# KiCad board HPM6750_COMBO_RevB .kicad_pcb (continued)
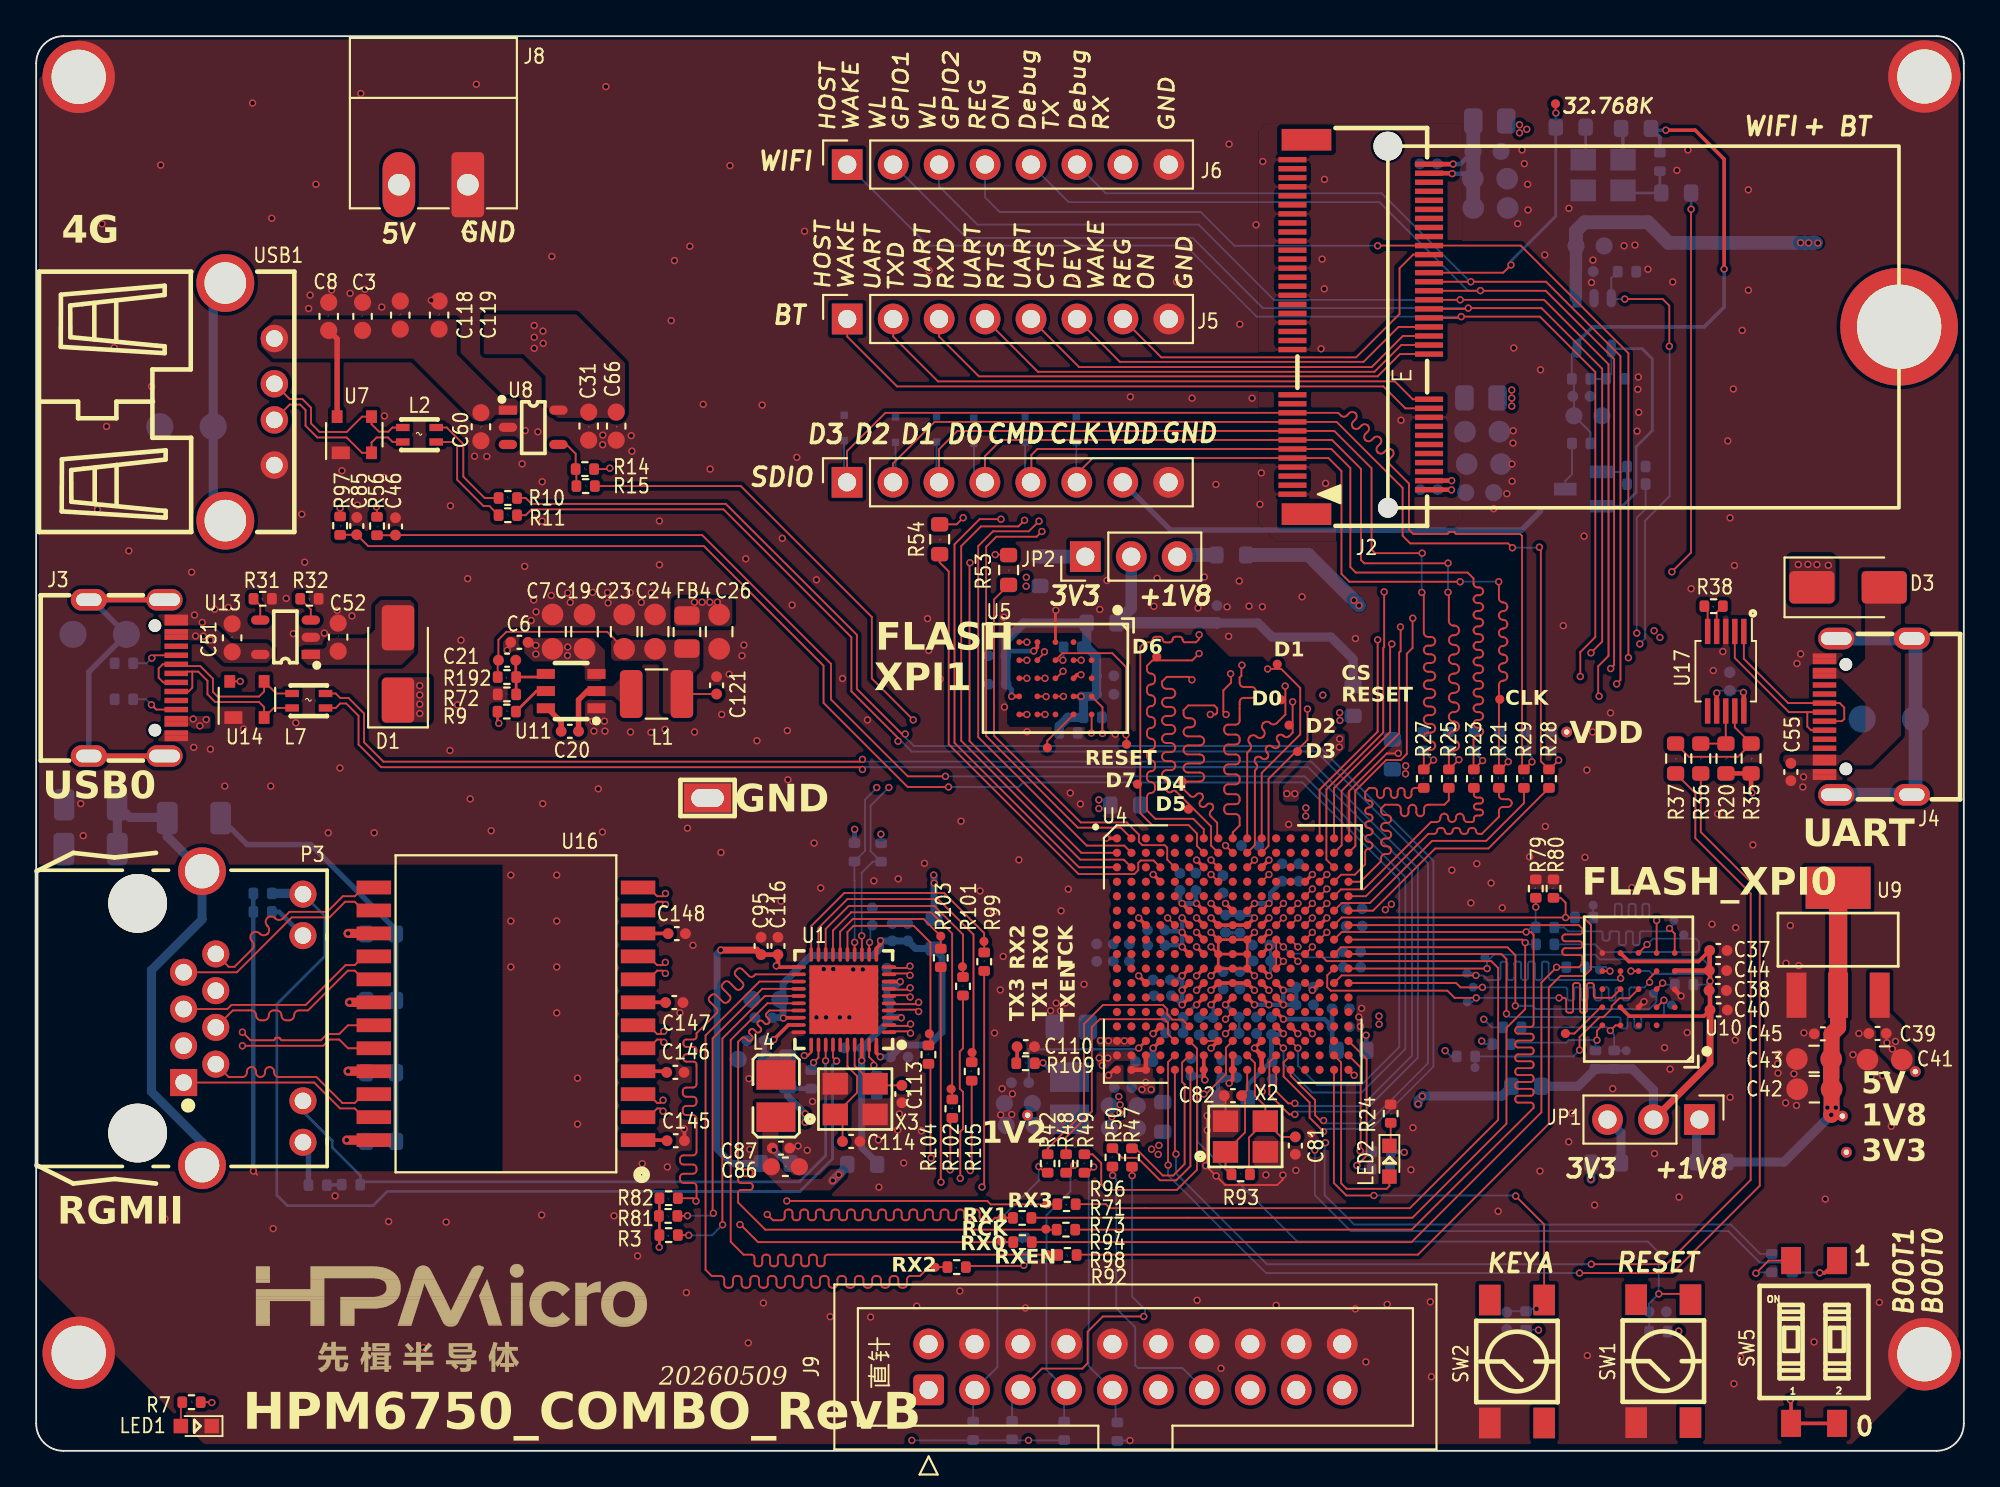
[diagram p0: board, top side]
## Routing (per net, layer and track width the routed paths; a pad name or vN(x,y) marks a point on that pad's centre or on a via; arc(x,y) is an arc through that point) (continued)
/01.MAIN/PD15: length 64.6
  Top w0.102: U1.14 v1(45.24,28.12) ; v1(76.09,46.04) 76.08,46.03 76.08,44.4 75.76,44.08 75.76,38.54 75.42,38.2 74.62,38.2 72.91,36.49 72.91,35.3 72.92,35.29 72.92,33.45 U4.B17
  POWER3 w0.102: v1(76.09,46.04) 70.51,46.04 68.94,47.61 55.64,47.61 55.33,47.3 48.33,47.3 46.81,45.78 46.81,37.03 v1(46.46,36.68)
  Bottom w0.102: v1(45.24,28.12) 45.24,31.54 45.23,31.55 R77.1 45.82,33.18 45.82,36.01 46.46,36.65 v1(46.46,36.68)
/01.MAIN/PD16: length 85.6
  Top w0.102: v1(74.15,66.64) 74.16,66.65 J2.56 82.06,66.65 88.01,60.7 v1(88.01,43.86) ; U4.D15 v1(71.34,31.87)
  POWER3 w0.102: v1(88.01,43.86) 87.82,43.67 74.38,43.67 73.1,42.39 73.1,32.8 72.17,31.87 v1(71.34,31.87)
  Bottom w0.102: v1(74.15,66.64) 66.24,66.64 64.37,68.51 53.26,68.51 52.45,69.32 J6.4
/01.MAIN/PD17: length 13.8
  Top w0.102: U4.D16 72.13,31.86 72.89,31.86 73.46,32.43 73.46,33.1 arc(73.52,33.24) 73.65,33.29 73.68,33.29 arc(73.81,33.35) 73.87,33.48 arc(73.81,33.62) 73.68,33.67 73.65,33.67 arc(73.52,33.73) 73.46,33.86 arc(73.52,34) 73.65,34.05 73.68,34.05 arc(73.81,34.11) 73.87,34.25 arc(73.81,34.38) 73.68,34.44 73.65,34.44 arc(73.52,34.49) 73.46,34.63 arc(73.52,34.76) 73.65,34.82 73.68,34.82 arc(73.81,34.87) 73.87,35.01 arc(73.81,35.14) 73.68,35.2 73.65,35.2 arc(73.52,35.25) 73.46,35.39 arc(73.52,35.52) 73.65,35.58 73.68,35.58 arc(73.81,35.63) 73.87,35.77 arc(73.81,35.9) 73.68,35.96 73.65,35.96 arc(73.52,36.02) 73.46,36.15 73.46,36.44 73.68,36.66 73.92,36.66 arc(74.06,36.6) 74.11,36.47 74.11,36.29 arc(74.17,36.16) 74.31,36.1 arc(74.44,36.16) 74.5,36.29 74.5,36.47 arc(74.55,36.6) 74.69,36.66 arc(74.82,36.6) 74.88,36.47 74.88,36.29 arc(74.93,36.16) 75.07,36.1 arc(75.2,36.16) 75.26,36.29 75.26,36.47 arc(75.31,36.6) 75.45,36.66 arc(75.58,36.6) 75.64,36.47 75.64,36.29 arc(75.69,36.16) 75.83,36.1 arc(75.96,36.16) 76.02,36.29 76.02,36.47 arc(76.08,36.6) 76.21,36.66 R27.1
/01.MAIN/PD18: length 13.9
  Top w0.102: R25.1 78.08,35.97 77.84,35.73 76.93,35.73 arc(76.78,35.67) 76.72,35.51 76.72,35.31 arc(76.66,35.15) 76.5,35.09 arc(76.35,35.15) 76.29,35.31 76.29,35.51 arc(76.22,35.67) 76.07,35.73 arc(75.92,35.67) 75.86,35.51 75.86,35.31 arc(75.79,35.15) 75.64,35.09 arc(75.49,35.15) 75.43,35.31 75.43,35.51 arc(75.36,35.67) 75.21,35.73 74.55,35.73 74.34,35.52 74.34,35.37 arc(74.4,35.22) 74.56,35.15 74.68,35.15 arc(74.84,35.09) 74.9,34.94 arc(74.84,34.79) 74.68,34.72 74.56,34.72 arc(74.4,34.66) 74.34,34.51 arc(74.4,34.36) 74.56,34.29 74.68,34.29 arc(74.84,34.23) 74.9,34.08 arc(74.84,33.92) 74.68,33.86 74.56,33.86 arc(74.4,33.8) 74.34,33.65 arc(74.4,33.49) 74.56,33.43 74.68,33.43 arc(74.84,33.37) 74.9,33.22 arc(74.84,33.06) 74.68,33 74.56,33 arc(74.4,32.94) 74.34,32.78 74.34,32.61 73.2,31.47 U4.D17
/01.MAIN/PD19: length 89.8
  Top w0.102: v1(85.94,44.13) 86.56,44.75 86.56,59.84 83.21,63.19 v1(79.16,63.19) 79.12,63.15 J2.42 ; U4.E14 v1(70.54,31.07)
  POWER3 w0.102: v1(85.94,44.13) 73.82,44.13 72.64,42.95 72.64,32.91 72.26,32.53 71.13,32.53 70.98,32.39 70.98,31.72 70.99,31.72 70.54,31.27 v1(70.54,31.07)
  Bottom w0.102: v1(79.16,63.19) 67.81,63.19 63.93,67.07 51.43,67.07 J6.2
/01.MAIN/PD20: length 89.5
  Top w0.102: v1(85.35,42.82) 85.35,44.17 86.18,45 86.18,59.66 83.12,62.72 v1(78.77,62.72) 78.7,62.65 J2.40 ; U4.E15 v1(71.34,31.07)
  POWER3 w0.102: v1(71.34,31.07) 72.3,31.07 73.99,32.76 73.99,41.25 75.55,42.81 85.34,42.81 v1(85.35,42.82)
  Bottom w0.102: v1(78.77,62.72) 67.46,62.72 63.53,66.65 49.31,66.65 J6.1
/01.MAIN/PD21: length 13.9
  Top w0.102: U4.E16 72.12,31.05 73.38,31.05 77.1,34.77 77.4,34.77 arc(77.55,34.83) 77.62,34.99 77.62,35.02 arc(77.68,35.17) 77.83,35.24 arc(77.98,35.17) 78.05,35.02 78.05,34.99 arc(78.11,34.83) 78.26,34.77 arc(78.41,34.83) 78.48,34.99 78.48,35.02 arc(78.54,35.17) 78.69,35.24 arc(78.85,35.17) 78.91,35.02 78.91,34.99 arc(78.97,34.83) 79.12,34.77 79.39,34.77 79.47,34.85 79.47,34.97 arc(79.52,35.08) 79.63,35.13 79.81,35.13 arc(79.93,35.18) 79.98,35.3 arc(79.93,35.41) 79.81,35.46 79.63,35.46 arc(79.52,35.51) 79.47,35.63 arc(79.52,35.75) 79.63,35.79 79.81,35.79 arc(79.93,35.84) 79.98,35.96 arc(79.93,36.08) 79.81,36.12 79.63,36.12 arc(79.52,36.17) 79.47,36.29 R23.1
/01.MAIN/PD22: length 13.9
  Top w0.102: R21.1 80.85,36.25 arc(80.92,36.1) 81.07,36.03 81.35,36.03 arc(81.5,35.97) 81.56,35.82 arc(81.5,35.67) 81.35,35.6 81.07,35.6 arc(80.92,35.54) 80.85,35.39 80.85,35.06 79.91,34.12 79.74,34.12 arc(79.63,34.17) 79.58,34.28 arc(79.54,34.39) 79.43,34.44 79.31,34.44 arc(79.2,34.39) 79.15,34.28 arc(79.11,34.17) 78.99,34.12 78.88,34.12 arc(78.77,34.17) 78.72,34.28 arc(78.68,34.39) 78.56,34.44 78.45,34.44 arc(78.34,34.39) 78.29,34.28 arc(78.24,34.17) 78.13,34.12 78.02,34.12 arc(77.91,34.17) 77.86,34.28 arc(77.81,34.39) 77.7,34.44 77.59,34.44 arc(77.48,34.39) 77.43,34.28 arc(77.38,34.17) 77.27,34.12 76.95,34.12 73.5,30.67 U4.E17
/01.MAIN/PD23: length 85.7
  Top w0.102: U4.F13 v1(69.74,30.27) ; v1(87.03,43.26) 87.22,43.45 87.22,60.37 83.44,64.15 J2.46
  POWER3 w0.102: v1(69.74,30.27) 70.12,30.65 70.75,30.65 70.93,30.83 70.93,31.25 71.15,31.47 72.24,31.47 73.54,32.77 73.54,42.1 74.7,43.26 v1(87.03,43.26)
  Bottom w0.102: J6.5 57.07,69.05 74.25,69.05 79.14,64.16 v1(79.83,64.16)
/01.MAIN/PD24: length 82.2
  Top w0.102: U4.F14 v1(70.54,30.27) ; v1(87.36,42.41) 87.57,42.62 87.57,60.54 83.46,64.65 J2.48
  POWER3 w0.102: v1(70.54,30.27) 70.74,30.27 71.1,30.63 72.47,30.63 74.4,32.56 74.4,40.85 75.96,42.41 v1(87.36,42.41)
  Bottom w0.102: v1(79.3,64.65) 79.26,64.65 74.37,69.54 59.12,69.54 J6.6
/01.MAIN/PD25: length 87.8
  Top w0.102: v1(86.39,41.73) 86.34,41.78 86.34,43.39 86.91,43.96 86.91,60.09 83.35,63.65 v1(78.71,63.65) J2.44 ; U4.F15 v1(71.34,30.27)
  POWER3 w0.102: v1(86.39,41.73) 86.37,41.71 75.84,41.71 74.76,40.63 74.76,32.35 72.68,30.27 v1(71.34,30.27)
  Bottom w0.102: J6.3 49.91,69.93 52.03,67.81 64.25,67.81 68.41,63.65 v1(78.71,63.65)
/01.MAIN/PD26: length 13.8
  Top w0.102: U4.F16 72.16,30.29 73.72,30.29 77.16,33.73 80.15,33.73 82.24,35.82 R29.1
/01.MAIN/PD27: length 13.9
  Top w0.102: R28.1 80.27,33.31 77.33,33.31 73.89,29.87 U4.F17
/01.MAIN/PD28: length 74
  Top w0.102: U4.G13 v1(69.74,29.47) ; v1(50.01,14.86) 50,14.87 R103.1
  POWER3 w0.102: v1(50.01,14.86) 50.49,14.38 51.73,14.38 51.85,14.26 51.85,14.08 arc(51.81,13.97) 51.7,13.93 51.26,13.93 arc(51.15,13.88) 51.11,13.78 51.11,13.7 arc(51.15,13.59) 51.26,13.55 51.7,13.55 arc(51.81,13.5) 51.85,13.39 51.85,13.32 arc(51.81,13.21) 51.7,13.17 51.26,13.17 arc(51.15,13.12) 51.11,13.01 51.11,12.94 arc(51.15,12.83) 51.26,12.78 51.7,12.78 arc(51.81,12.74) 51.85,12.63 51.85,12.56 arc(51.81,12.45) 51.7,12.4 51.26,12.4 arc(51.15,12.36) 51.11,12.25 51.11,12.18 arc(51.15,12.07) 51.26,12.02 51.7,12.02 arc(51.81,11.98) 51.85,11.87 51.85,11.15 53.3,9.7 75.05,9.7 79.93,14.58 79.93,22.63 v1(79.9,22.66) 79.9,23.07 73.9,29.07 70.14,29.07 v1(69.74,29.47)
  Bottom w0.102: R84.2 80.07,22.49 v1(79.9,22.66)
/01.MAIN/PD29: length 64.9
  Top w0.102: U4.G14 v1(70.54,29.47) ; R102.1 50.53,18.3 50.53,15.55 v1(50.52,15.54)
  POWER3 w0.102: v1(70.54,29.47) 70.92,29.85 72.45,29.85 72.9,29.4 74.48,29.4 v1(80.02,23.87) 80.44,23.45 80.44,14.37 75.11,9.04 53.41,9.04 49.42,13.03 49.42,15.3 49.66,15.54 v1(50.52,15.54)
  Bottom w0.102: v1(80.02,23.87) 80.46,23.42 R85.1
/01.MAIN/PD30: length 58.5
  Top w0.102: U4.G16 72.16,29.49 84.54,29.49 v1(84.54,29.49) ; v1(84.54,29.49) 85.53,29.49 85.94,29.08 85.94,26.63 85.57,26.26 84.25,26.26 83.61,25.62 83.61,18.08 76.38,10.85 57.53,10.85 R98.1 ; v1(84.54,29.49) 84.54,30.31 84.27,30.58 R80.1
  Bottom w0.102: R87.1 v1(84.54,29.49)
/01.MAIN/PD31: length 60.4
  Top w0.102: U4.G17 85.27,29.07 85.47,28.87 85.47,28.71 arc(85.43,28.6) 85.32,28.56 84.51,28.56 arc(84.4,28.51) 84.36,28.41 84.36,28.33 arc(84.4,28.22) 84.51,28.18 85.32,28.18 arc(85.43,28.13) 85.47,28.02 85.47,27.95 arc(85.43,27.84) 85.32,27.8 84.51,27.8 arc(84.4,27.75) 84.36,27.64 84.36,27.57 arc(84.4,27.46) 84.51,27.41 85.32,27.41 arc(85.43,27.37) 85.47,27.26 85.47,26.93 85.28,26.74 v1(84.04,26.74) 83.2,25.9 83.2,18.72 76.02,11.54 R94.1
  Bottom w0.102: R86.2 84.05,26.75 v1(84.04,26.74)
/01.MAIN/PE0: length 63.8
  Top w0.102: R105.1 51.71,15.58 v1(51.63,15.5) ; U4.H13 v1(69.74,27.87)
  POWER3 w0.102: v1(69.74,27.87) 70.29,27.32 72.69,27.32 v1(77.88,22.13) 77.9,22.11 77.9,15.26 74.97,12.33 74.49,12.33 arc(74.34,12.39) 74.28,12.54 74.28,12.87 arc(74.22,13.02) 74.07,13.09 73.96,13.09 arc(73.81,13.02) 73.75,12.87 73.75,12.54 arc(73.69,12.39) 73.54,12.33 73.43,12.33 arc(73.28,12.39) 73.22,12.54 73.22,12.87 arc(73.16,13.02) 73,13.09 72.9,13.09 arc(72.75,13.02) 72.69,12.87 72.69,12.54 arc(72.62,12.39) 72.47,12.33 72.37,12.33 arc(72.22,12.39) 72.16,12.54 72.16,12.87 arc(72.09,13.02) 71.94,13.09 71.84,13.09 arc(71.69,13.02) 71.62,12.87 71.62,12.54 arc(71.56,12.39) 71.41,12.33 71.31,12.33 arc(71.16,12.39) 71.09,12.54 71.09,12.87 arc(71.03,13.02) 70.88,13.09 70.77,13.09 arc(70.62,13.02) 70.56,12.87 70.56,12.54 arc(70.5,12.39) 70.35,12.33 70.24,12.33 arc(70.09,12.39) 70.03,12.54 70.03,12.87 arc(69.97,13.02) 69.82,13.09 69.71,13.09 arc(69.56,13.02) 69.5,12.87 69.5,12.54 arc(69.44,12.39) 69.29,12.33 69.18,12.33 arc(69.03,12.39) 68.97,12.54 68.97,12.87 arc(68.91,13.02) 68.76,13.09 68.65,13.09 arc(68.5,13.02) 68.44,12.87 68.44,12.54 arc(68.38,12.39) 68.23,12.33 68.12,12.33 arc(67.97,12.39) 67.91,12.54 67.91,12.87 arc(67.85,13.02) 67.69,13.09 67.59,13.09 arc(67.44,13.02) 67.38,12.87 67.38,12.54 arc(67.31,12.39) 67.16,12.33 67.06,12.33 arc(66.91,12.39) 66.85,12.54 66.85,12.87 arc(66.78,13.02) 66.63,13.09 66.53,13.09 arc(66.38,13.02) 66.31,12.87 66.31,12.54 arc(66.25,12.39) 66.1,12.33 66,12.33 arc(65.85,12.39) 65.78,12.54 65.78,12.87 arc(65.72,13.02) 65.57,13.09 65.46,13.09 arc(65.31,13.02) 65.25,12.87 65.25,12.54 arc(65.19,12.39) 65.04,12.33 54.26,12.33 53.46,13.13 53.46,14.85 52.81,15.5 v1(51.63,15.5)
  Bottom w0.102: v1(77.88,22.13) 78.2,21.81 R90.1
/01.MAIN/PE1: length 67.8
  Top w0.102: v1(52.28,14.59) 52.4,14.71 R99.1 ; U4.H14 v1(70.54,28.67)
  POWER3 w0.102: v1(52.28,14.59) 52.28,11.35 52.88,10.75 62.95,10.75 arc(63.07,10.8) 63.12,10.92 63.12,11.13 arc(63.17,11.25) 63.29,11.3 63.38,11.3 arc(63.5,11.25) 63.55,11.13 63.55,10.92 arc(63.6,10.8) 63.73,10.75 63.81,10.75 arc(63.93,10.8) 63.98,10.92 63.98,11.13 arc(64.03,11.25) 64.16,11.3 64.24,11.3 arc(64.36,11.25) 64.42,11.13 64.42,10.92 arc(64.47,10.8) 64.59,10.75 64.67,10.75 arc(64.8,10.8) 64.85,10.92 64.85,11.13 arc(64.9,11.25) 65.02,11.3 65.1,11.3 arc(65.23,11.25) 65.28,11.13 65.28,10.92 arc(65.33,10.8) 65.45,10.75 65.54,10.75 arc(65.66,10.8) 65.71,10.92 65.71,11.13 arc(65.76,11.25) 65.88,11.3 65.97,11.3 arc(66.09,11.25) 66.14,11.13 66.14,10.92 arc(66.19,10.8) 66.31,10.75 66.4,10.75 arc(66.52,10.8) 66.57,10.92 66.57,11.13 arc(66.62,11.25) 66.74,11.3 66.83,11.3 arc(66.95,11.25) 67,11.13 67,10.92 arc(67.05,10.8) 67.17,10.75 67.26,10.75 arc(67.38,10.8) 67.43,10.92 67.43,11.13 arc(67.48,11.25) 67.6,11.3 67.69,11.3 arc(67.81,11.25) 67.86,11.13 67.86,10.92 arc(67.91,10.8) 68.04,10.75 74.67,10.75 78.89,14.97 78.89,22.59 73.22,28.26 70.95,28.26 v1(70.54,28.67)
/01.MAIN/PE2: length 49.4
  Top w0.102: U4.H15 v1(71.34,28.67) ; R92.1 51.45,10.22 54.55,10.22 v1(54.59,10.26)
  POWER3 w0.102: v1(54.59,10.26) 74.84,10.26 79.35,14.77 79.35,22.76 73.44,28.67 v1(71.34,28.67)
  Bottom w0.102: R91.1 54.59,10.77 v1(54.59,10.26)
/01.MAIN/PE3: length 61.8
  Top w0.102: U4.H16 72.16,28.69 v1(82.36,28.69) 82.62,28.69 82.77,28.54 82.77,23.6 arc(82.73,23.49) 82.62,23.45 81.91,23.45 arc(81.8,23.4) 81.76,23.3 81.76,23.22 arc(81.8,23.11) 81.91,23.07 82.62,23.07 arc(82.73,23.02) 82.77,22.91 82.77,22.84 arc(82.73,22.73) 82.62,22.69 81.91,22.69 arc(81.8,22.64) 81.76,22.53 81.76,22.46 arc(81.8,22.35) 81.91,22.3 82.62,22.3 arc(82.73,22.26) 82.77,22.15 82.77,22.08 arc(82.73,21.97) 82.62,21.92 81.91,21.92 arc(81.8,21.88) 81.76,21.77 81.76,21.7 arc(81.8,21.59) 81.91,21.54 82.62,21.54 arc(82.73,21.5) 82.77,21.39 82.77,21.31 arc(82.73,21.21) 82.62,21.16 81.91,21.16 arc(81.8,21.12) 81.76,21.01 81.76,20.93 arc(81.8,20.83) 81.91,20.78 82.62,20.78 arc(82.73,20.74) 82.77,20.63 82.77,20.55 arc(82.73,20.44) 82.62,20.4 81.91,20.4 arc(81.8,20.35) 81.76,20.25 81.76,20.17 arc(81.8,20.06) 81.91,20.02 82.62,20.02 arc(82.73,19.97) 82.77,19.87 82.77,19.79 arc(82.73,19.68) 82.62,19.64 81.91,19.64 arc(81.8,19.59) 81.76,19.49 81.76,19.41 arc(81.8,19.3) 81.91,19.26 82.62,19.26 arc(82.73,19.21) 82.77,19.1 82.77,18.97 76.03,12.23 R73.1 ; R79.1 v1(82.89,30.07)
  Bottom w0.102: v1(82.36,28.69) 82.61,28.94 R89.1 v1(82.89,30.07)
/01.MAIN/PE4: length 49.3
  Top w0.102: U4.H17 82.14,28.27 v1(82.31,28.11) 82.31,24.43 81.27,23.39 81.27,18.09 76.07,12.89 55.02,12.89 R71.1
  Bottom w0.102: v1(82.31,28.11) 82.4,28.01 R88.1
/01.MAIN/PE5: length 69.5
  Top w0.102: R104.1 49.43,21.29 49.43,16.23 v1(49.47,16.19) ; U4.J13 v1(69.74,27.07)
  POWER3 w0.102: v1(69.74,27.07) 69.94,26.87 72.43,26.87 77.37,21.93 77.37,15.5 75.59,13.72 64.88,13.72 arc(64.74,13.66) 64.68,13.53 64.68,12.97 arc(64.63,12.83) 64.49,12.77 64.39,12.77 arc(64.26,12.83) 64.2,12.97 64.2,13.53 arc(64.15,13.66) 64.01,13.72 63.91,13.72 arc(63.78,13.66) 63.72,13.53 63.72,12.97 arc(63.67,12.83) 63.53,12.77 63.43,12.77 arc(63.3,12.83) 63.24,12.97 63.24,13.53 arc(63.18,13.66) 63.05,13.72 62.95,13.72 arc(62.82,13.66) 62.76,13.53 62.76,12.97 arc(62.7,12.83) 62.57,12.77 62.47,12.77 arc(62.33,12.83) 62.28,12.97 62.28,13.53 arc(62.22,13.66) 62.09,13.72 61.99,13.72 arc(61.85,13.66) 61.8,13.53 61.8,12.97 arc(61.74,12.83) 61.6,12.77 61.51,12.77 arc(61.37,12.83) 61.32,12.97 61.32,13.53 arc(61.26,13.66) 61.12,13.72 61.03,13.72 arc(60.89,13.66) 60.84,13.53 60.84,12.97 arc(60.78,12.83) 60.64,12.77 60.55,12.77 arc(60.41,12.83) 60.35,12.97 60.35,13.53 arc(60.3,13.66) 60.16,13.72 60.07,13.72 arc(59.93,13.66) 59.87,13.53 59.87,12.97 arc(59.82,12.83) 59.68,12.77 59.58,12.77 arc(59.45,12.83) 59.39,12.97 59.39,13.53 arc(59.34,13.66) 59.2,13.72 59.1,13.72 arc(58.97,13.66) 58.91,13.53 58.91,12.97 arc(58.86,12.83) 58.72,12.77 58.62,12.77 arc(58.49,12.83) 58.43,12.97 58.43,13.53 arc(58.37,13.66) 58.24,13.72 58.14,13.72 arc(58.01,13.66) 57.95,13.53 57.95,12.97 arc(57.89,12.83) 57.76,12.77 57.66,12.77 arc(57.52,12.83) 57.47,12.97 57.47,13.53 arc(57.41,13.66) 57.28,13.72 57.18,13.72 arc(57.04,13.66) 56.99,13.53 56.99,12.97 arc(56.93,12.83) 56.8,12.77 56.7,12.77 arc(56.56,12.83) 56.51,12.97 56.51,13.53 arc(56.45,13.66) 56.31,13.72 56.22,13.72 arc(56.08,13.66) 56.03,13.53 56.03,12.97 arc(55.97,12.83) 55.83,12.77 55.74,12.77 arc(55.6,12.83) 55.54,12.97 55.54,13.53 arc(55.49,13.66) 55.35,13.72 55.26,13.72 arc(55.12,13.66) 55.06,13.53 55.06,12.97 arc(55.01,12.83) 54.87,12.77 54.77,12.77 arc(54.64,12.83) 54.58,12.97 54.58,13.53 arc(54.53,13.66) 54.39,13.72 54.09,13.72 53.84,13.97 53.84,15.08 52.73,16.19 v1(49.47,16.19)
/01.MAIN/PE6: length 69.3
  Top w0.102: v1(51.08,15.07) 51.08,17.65 51.23,17.8 51.23,19.85 51.05,20.03 51.05,22.08 51.23,22.26 R101.1 ; U4.J14 v1(70.54,27.87)
  POWER3 w0.102: v1(51.08,15.07) 52.53,15.07 52.85,14.75 52.85,12.09 53.07,11.87 53.32,11.87 arc(53.44,11.82) 53.49,11.7 53.49,11.47 arc(53.54,11.34) 53.66,11.29 53.75,11.29 arc(53.87,11.34) 53.92,11.47 53.92,11.7 arc(53.97,11.82) 54.1,11.87 54.18,11.87 arc(54.3,11.82) 54.35,11.7 54.35,11.47 arc(54.4,11.34) 54.53,11.29 54.61,11.29 arc(54.73,11.34) 54.79,11.47 54.79,11.7 arc(54.84,11.82) 54.96,11.87 55.04,11.87 arc(55.17,11.82) 55.22,11.7 55.22,11.47 arc(55.27,11.34) 55.39,11.29 55.48,11.29 arc(55.6,11.34) 55.65,11.47 55.65,11.7 arc(55.7,11.82) 55.82,11.87 55.91,11.87 arc(56.03,11.82) 56.08,11.7 56.08,11.47 arc(56.13,11.34) 56.25,11.29 56.34,11.29 arc(56.46,11.34) 56.51,11.47 56.51,11.7 arc(56.56,11.82) 56.68,11.87 56.77,11.87 arc(56.89,11.82) 56.94,11.7 56.94,11.47 arc(56.99,11.34) 57.11,11.29 57.2,11.29 arc(57.32,11.34) 57.37,11.47 57.37,11.7 arc(57.42,11.82) 57.54,11.87 57.63,11.87 arc(57.75,11.82) 57.8,11.7 57.8,11.47 arc(57.85,11.34) 57.97,11.29 58.06,11.29 arc(58.18,11.34) 58.23,11.47 58.23,11.7 arc(58.28,11.82) 58.41,11.87 58.49,11.87 arc(58.61,11.82) 58.66,11.7 58.66,11.47 arc(58.71,11.34) 58.84,11.29 58.92,11.29 arc(59.04,11.34) 59.1,11.47 59.1,11.7 arc(59.15,11.82) 59.27,11.87 59.35,11.87 arc(59.48,11.82) 59.53,11.7 59.53,11.47 arc(59.58,11.34) 59.7,11.29 59.79,11.29 arc(59.91,11.34) 59.96,11.47 59.96,11.7 arc(60.01,11.82) 60.13,11.87 60.22,11.87 arc(60.34,11.82) 60.39,11.7 60.39,11.47 arc(60.44,11.34) 60.56,11.29 60.65,11.29 arc(60.77,11.34) 60.82,11.47 60.82,11.7 arc(60.87,11.82) 60.99,11.87 61.08,11.87 arc(61.2,11.82) 61.25,11.7 61.25,11.47 arc(61.3,11.34) 61.42,11.29 61.51,11.29 arc(61.63,11.34) 61.68,11.47 61.68,11.7 arc(61.73,11.82) 61.85,11.87 61.94,11.87 arc(62.06,11.82) 62.11,11.7 62.11,11.47 arc(62.16,11.34) 62.28,11.29 62.37,11.29 arc(62.49,11.34) 62.54,11.47 62.54,11.7 arc(62.59,11.82) 62.72,11.87 75.18,11.87 78.4,15.09 78.4,22.38 72.91,27.87 v1(70.54,27.87)
/01.MAIN/PE7: length 44.1
  Top w0.102: U4.J15 71.33,27.08 80.43,27.08 80.81,26.7 80.81,18.3 75.93,13.42 59.35,13.42 59.13,13.64 R96.1
/01.MAIN/PE8: length 23.6
  Top w0.102: v1(89.9,25.87) 89.9,25.86 U10.C2 ; U4.J16 72.12,27.85 81.32,27.85 81.76,27.41 v1(81.76,24.61)
  Bottom w0.102: R13.2 89.99,25.78 v1(89.9,25.87) 89.56,25.53 89.56,24.83 89.16,24.43 82.89,24.43 82.71,24.61 v1(81.76,24.61)
/01.MAIN/PE9: length 24.8
  Top w0.102: U4.J17 80.99,27.47 81.27,27.19 v1(81.27,24.17) ; U10.B2 89.96,24.92 v1(89.97,24.92)
  Bottom w0.102: v1(81.27,24.17) 81.45,23.99 87.46,23.99 arc(87.54,23.96) 87.57,23.88 87.57,23.47 arc(87.61,23.39) 87.69,23.35 87.84,23.35 arc(87.92,23.39) 87.96,23.47 87.96,23.88 arc(87.99,23.96) 88.07,23.99 88.22,23.99 arc(88.3,23.96) 88.34,23.88 88.34,23.47 arc(88.37,23.39) 88.45,23.35 88.6,23.35 arc(88.68,23.39) 88.72,23.47 88.72,23.88 arc(88.75,23.96) 88.83,23.99 89.85,23.99 89.97,24.11 v1(89.97,24.92) 90.23,24.66 TP17.1
/01.MAIN/PE10: length 24.5
  Top w0.102: v1(84.18,25.05) 84.46,25.05 arc(84.54,25.02) 84.57,24.94 84.57,24.35 arc(84.61,24.26) 84.69,24.23 84.84,24.23 arc(84.92,24.26) 84.95,24.35 84.95,25.75 arc(84.99,25.84) 85.07,25.87 85.22,25.87 arc(85.3,25.84) 85.33,25.75 85.33,24.35 arc(85.37,24.26) 85.45,24.23 85.6,24.23 arc(85.68,24.26) 85.72,24.35 85.72,25.75 arc(85.75,25.84) 85.83,25.87 85.98,25.87 arc(86.06,25.84) 86.1,25.75 86.1,25.16 arc(86.13,25.08) 86.21,25.05 87.09,25.05 U10.C4 ; v1(79.6,25.05) 78.4,25.05 78,25.45 71.55,25.45 71.36,25.64 71.36,26.29 U4.K16
  Bottom w0.102: v1(84.18,25.05) v1(79.6,25.05) 79.38,24.83 TP10.1
/01.MAIN/PE11: length 25.8
  Top w0.102: U10.D3 v1(88.15,26.53) ; U4.K17 v1(80.2,26.67)
  Bottom w0.102: v1(80.2,26.67) 80.2,27.05 80.59,27.44 86.17,27.44 86.43,27.18 92.14,27.18 92.35,26.97 92.35,26.55 92.18,26.38 89.31,26.38 89.16,26.53 v1(88.15,26.53) 88.18,26.56
/01.MAIN/PE12: length 24.4
  Top w0.102: v1(79.58,26.29) 72.16,26.29 U4.L16 ; v1(87.58,26.13) 87.57,26.14 U10.D4
  Bottom w0.102: v1(87.58,26.13) 87.49,26.04 83.72,26.04 arc(83.64,26.07) 83.61,26.15 83.61,26.94 arc(83.57,27.02) 83.49,27.05 83.34,27.05 arc(83.26,27.02) 83.22,26.94 83.22,26.15 arc(83.19,26.07) 83.11,26.04 82.96,26.04 arc(82.88,26.07) 82.84,26.15 82.84,26.94 arc(82.81,27.02) 82.73,27.05 82.58,27.05 arc(82.5,27.02) 82.46,26.94 82.46,26.15 arc(82.43,26.07) 82.35,26.04 82.2,26.04 arc(82.12,26.07) 82.08,26.15 82.08,26.94 arc(82.05,27.02) 81.97,27.05 81.81,27.05 arc(81.73,27.02) 81.7,26.94 81.7,26.15 arc(81.67,26.07) 81.59,26.04 81.43,26.04 arc(81.35,26.07) 81.32,26.15 81.32,26.94 arc(81.29,27.02) 81.21,27.05 81.05,27.05 arc(80.97,27.02) 80.94,26.94 80.94,26.15 arc(80.91,26.07) 80.82,26.04 80.24,26.04 79.99,26.29 v1(79.58,26.29) 79.46,26.41 TP11.1
/01.MAIN/PE13: length 24.4
  Top w0.102: U10.D2 89.18,26.14 v1(89.18,25.91) ; U4.L17 78.49,25.87 78.73,25.63 v1(79.94,25.63)
  Bottom w0.102: TP8.1 79.93,25.64 v1(79.94,25.63) 84.52,25.63 arc(84.6,25.6) 84.63,25.52 84.63,25.02 arc(84.67,24.94) 84.75,24.91 84.9,24.91 arc(84.98,24.94) 85.02,25.02 85.02,25.52 arc(85.05,25.6) 85.13,25.63 85.28,25.63 arc(85.36,25.6) 85.4,25.52 85.4,25.02 arc(85.43,24.94) 85.51,24.91 85.66,24.91 arc(85.74,24.94) 85.78,25.02 85.78,25.52 arc(85.81,25.6) 85.89,25.63 86.04,25.63 arc(86.12,25.6) 86.16,25.52 86.16,25.02 arc(86.19,24.94) 86.27,24.91 86.43,24.91 arc(86.51,24.94) 86.54,25.02 86.54,25.52 arc(86.57,25.6) 86.65,25.63 86.81,25.63 arc(86.89,25.6) 86.92,25.52 86.92,25.02 arc(86.95,24.94) 87.03,24.91 87.19,24.91 arc(87.27,24.94) 87.3,25.02 87.3,25.52 arc(87.33,25.6) 87.42,25.63 87.57,25.63 arc(87.65,25.6) 87.68,25.52 87.68,25.02 arc(87.72,24.94) 87.8,24.91 87.95,24.91 arc(88.03,24.94) 88.06,25.02 88.06,25.52 arc(88.1,25.6) 88.18,25.63 88.9,25.63 v1(89.18,25.91)
/01.MAIN/PF0: length 46.7
  Top w0.102: U1.12 46.04,28.1 v1(46.06,28.12) ; U4.R17 73.54,21.67 73.54,16.32 v1(73,15.78)
  POWER3 w0.102: v1(46.06,28.12) 46.33,27.85 48.53,27.85 49.72,26.66 49.72,20.4 55.36,14.76 71.98,14.76 v1(73,15.78)
  Bottom w0.102: v1(46.06,28.12) 46.1,28.15 46.1,28.95 C112.1 ; v1(73,15.78) 73.2,15.58 R75.2
/01.MAIN/PF1: length 43.3
  Top w0.102: v1(73.18,16.59) 73.21,16.62 73.21,21.2 U4.T17
  Top w0.127: U1.31 42.84,22.05 42.66,21.86 v1(42.46,21.86)
  POWER3 w0.102: v1(73.18,16.59) 73.46,16.31 73.46,15.54 72.19,14.27 55.35,14.27 47.29,22.33 42.93,22.33 v1(42.46,21.86)
  Bottom w0.102: v1(73.18,16.59) 73.23,16.54 R74.1
/01.MAIN/PF3: length 11.1
  Top w0.102: U4.T16 72.13,21.48 72.13,14.79 72.43,14.49 74.65,14.49 74.8,14.64 LED2.2 74.48,14.84
/01.MAIN/PF4: length 25.4
  Top w0.102: U4.U16 71.73,21.06 71.73,14.81 72.42,14.12 v1(73.94,14.12) ; v1(81.78,14.09) 83.35,12.52 SW2.4 83.35,8.27 v1(82.93,7.85)
  Bottom w0.102: C58.1 81.34,7.72 R22.2 82.48,7.85 v1(82.93,7.85) ; v1(81.78,14.09) 81.75,14.12 v1(73.94,14.12)
/01.MAIN/PY0: length 10.7
  Top w0.102: R50.2 60.03,16.2 60.88,16.2 62.12,14.96 63.02,14.96 63.8,15.74 63.8,21.01 U4.U6
/01.MAIN/PY1: length 10
  Top w0.102: U4.T6 63.34,21.47 63.34,20.4 63.48,20.26 63.48,15.86 62.85,15.23 62.27,15.23 60.77,16.73 R47.2
/01.MAIN/PY2: length 15.5
  Top w0.102: U4.R6 64.16,22.25 64.16,15.54 63.05,14.43 59.18,14.43 58.87,14.74 58.87,15.92 58.39,16.4 R49.2
/01.MAIN/PY3: length 13.3
  Top w0.102: R48.2 56.93,17.34 58.35,18.76 58.35,23.43 58.79,23.87 62.37,23.87 62.56,23.67 62.56,23.05 U4.R5